# Altium PCB STM32MP25XXAK_2_DDR4_ascii.PcbDoc (part 2 of 6)
Units mm, origin at the board's own origin, x right, y up, seen from the top; angles counter-clockwise.
Board outline 120 x 79.6 mm, 4 copper layers (Top Layer, Signal Layer 1, Signal Layer 2, Bottom Layer), stack 1.614 mm thick; 243 components, 152 nets, 1304 pads, 784 vias.
Unrouted connection lines stored in the file: 6.
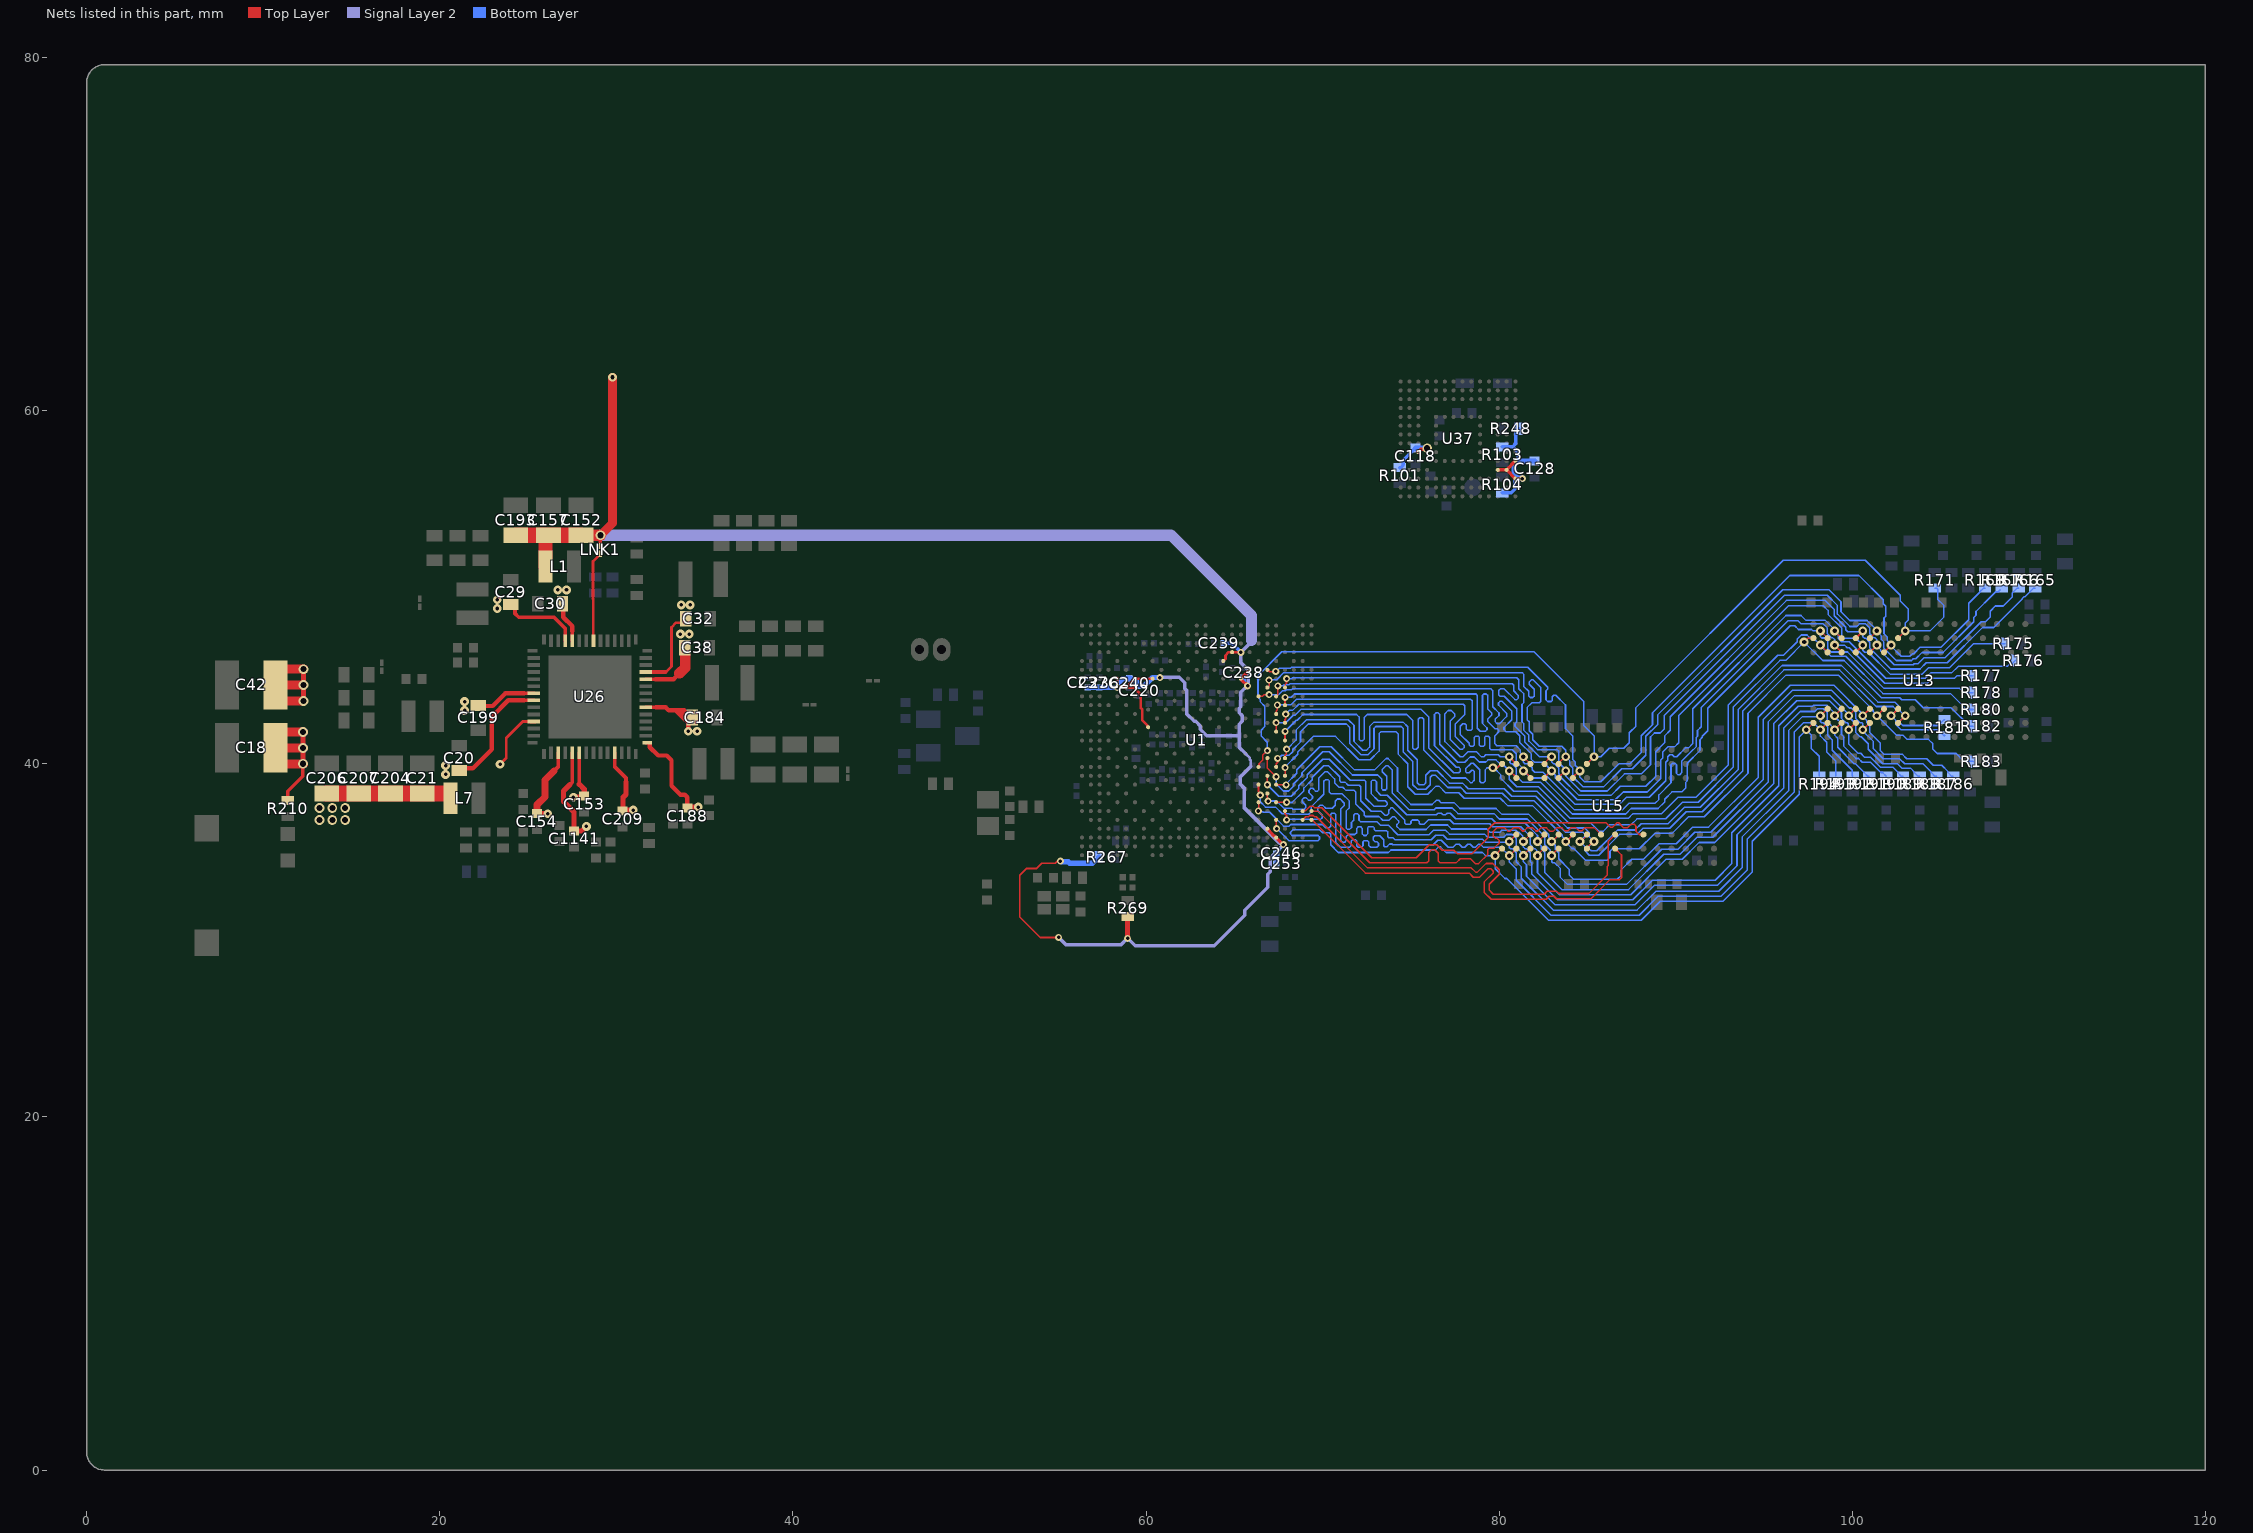
[diagram p3: the nets of this part, all layers, seen from the top]

## Part data
B2: library part MCD-03492, "Switch tactile, SPST-NO, 50mA, 12V, 6x3.8mm"
C1 C2 C3 C4 C5 C6 C7 C8 C10 C11 C12 C13 C15 C44 C45 C46 C47 C48 C49 C50 C51 C52 C58 C59 C64 C68 C69 C70 C71 C72 C74 C75 C76 C77 C82 C250 C252 C260: library part MCD-02377, "Capacitor, MLCC, 1uF, 6.3V, X5R, +/-20%, 0201, T=0,3mm"
C9 C53 C54 C55 C56 C60 C61 C62 C63 C65 C66 C67 C83 C84 C85 C118 C130 C146 C147 C148 C149 C151 C158 C162 C170 C185 C197 C198 C203 C205 C212 C213 C214 C215 C216 C218 C219 C221: library part MCD-00006, "Capacitor, MLCC, 100nF, 16V, X7R, +/-10%, 0402, T=0.5mm"
C14: library part MCD-01823, "Capacitor, MLCC, 2.2uF, 6V3, X5R,+/-10%, 0402, T=0.5mm"
C16 C17 C192 C195 C196 C201 C220 C234 C236 C237 C238 C239 C240 C244 C246 C248 C251 C253: library part MCD-01535, "Capacitor, MLCC,100nF, 10V, X7R, +/-10%, 0201, T=0.3mm"
C18 C42: library part MCD-01796, "Capacitor, Tantalum, 100uF, 6V3, 40mR, +/-20%,  Type_B (3528 metric), T=1.9mm"
C19 C21 C152 C157 C186 C187 C193 C204 C206 C207: library part MCD-03139, "Capacitor, MLCC, 22uF, 10V, X5R, +/-20%, 0805, T=1,25mm"
C20 C29 C30 C32 C38 C184 C199: library part MCD-00099, "Capacitor, MLCC, 10uF, 10V, X5R, +/-10%, 0603, T=0,8mm"
C22 C23 C24 C26 C27 C28 C34 C35 C36 C37 C41 C145 C183 C200 C202 C211: library part MCD-00100, "Capacitor, MLCC, 22uF, 6V3, X5R, +/-20%, 0603, T=0,8mm"
C33: library part MCD-00011, "Capacitor, MLCC, 10nF, 16V, X7R, 10%, 0402, T=0.5mm"
C39 C40: library part MCD-03140, "Capacitor, MLCC, 10uF, 6.3V, X5R, +/-20%, 0402, T=0.5mm"
C43 C153 C154 C188: library part MCD-00095, "Capacitor, MLCC, 1uF, 25V, X5R, +/-10%, 0402, T=0.5mm"
C73 C88 C150 C194: library part MCD-01341, "Capacitor, MLCC, 10uF, 6V3, X5R, +/-20%, 0603, T=0,8mm"
C79 C117 C128: library part MCD-02606, "Capacitor, MLCC, 2.2uF, 6.3V, X5R, +/-10%, 0402, T=0.5mm"
C81 C86 C90 C92: library part MCD-00674, "Capacitor, MLCC, 6.8pF, 50V, NPO, +-0.25pF, 0402, T=0.5mm"
C87: library part MCD-00006, "Capacitor,100nF,16V,X7R,10%,0402"
C91 C142 C156 C189 C190 C208 C209 C217 C1141: library part MCD-01356, "Capacitor, MLCC, 4.7uF, 6V3, X5R, +/-20%, 0402, T=0.5mm"
C155: library part MCD-02198, "Capacitor, MLCC, 10nF, 50V, X7R, +/-10%, 0402, T=0.5mm"
C225: library part MCD-01534, "Capacitor, MLCC, 4,7uF, 6V3, X5R, +/-20%, 0201, T=0.5mm"
C235: library part MCD-02235, "Capacitor, MLCC, 2.2uF, 10V, X5R,+/-10%, 0201, T=0.5mm"
CN12: library part MCD-00655, "Header 2 circuits, 1.25mm Pitch ,  Vertical, with Friction Lock"
D6: library part MCD-03280, "Diode, Schottky, Dual Common Cathode, 0V3, 300mA, 40V, SOT-23"
D7: library part MCD-00034
L1 L6: library part MCD-03143, "Inductor, 2.2uH, +/-20%, Itemp= 1700mA, Isat= 2400mA, 0R140, 0806, T=1mm"
L2 L4: library part MCD-03142, "Inductor, 0.68uH, +/-20%, Itemp= 3900mA, Isat= 5400mA, 0R031, 1008, T=1.2mm"
L3 L5 L7: library part MCD-03141, "Inductor, 0.68uH, +/-20%, Itemp= 3100mA, Isat= 4300mA, 0R043, 0806, T=1mm"
LD11: library part MCD-00588, "LED Green, 0603 SMD, Forward Voltage Typ=2V, Max=2.5V"
LNK1 LNK2 LNK4 LNK7 LNK8 LNK11: library part MCD-02777, "Track link on PCB 200um width for layout routing"
R2 R3 R46 R57 R59 R60 R64 R81 R267 R269 R286: library part MCD-00052, "Resistor,0R,0402,5%,1/16W"
R11: library part MCD-00056, "Resistor, 0R, 0603, +/-5%, 1/10W"
R27 R101 R103 R104 R163 R248 R272: library part MCD-00053, "Resistor,10K,0402,1%,1/16W"
R62 R75 R174: library part MCD-02253, "Resistor,240R,0201,1%,1/20W"
R66: library part MCD-00058, "Resistor, 20R, 0402, +/-1%, 1/16W"
R67: library part MCD-00052, "Resistor, 0R, 0402, +/-5%, 1/16W"
R141 R142 R146 R147: library part MCD-00061, "Resistor, 1K, 0402, +/-1%,1/16W"
R165 R166 R167 R168 R169 R170 R171 R175 R176 R177 R178 R180 R182 R183 R185 R186 R187 R188 R189 R190 R191 R192 R193 R194: library part MCD-00054, "Resistor, 56R, 0402, +/-1%, 1/16W"
R181: library part MCD-01819, "Resistor,100R,0402,0,5%,1/16W,±100ppm/°C"
R210: library part MCD-00441, "Resistor,270R,0402,1%,1/16W"
R260 R261: library part MCD-00068, "Resistor,1K5,0402,1%,1/16W"
TP21: library part MCD-00074, "Test Point 1mm"
U1: library part MCD-03375, "MPU , 2xCortex-A35@1.5GHz, Cortex-M33@400MHz, TFBGA 14x14, pitch 0.5, 648KB SRAM, With Crypto"
U13 U15: library part MCD-03523, "Memory, DDR4 SDRAM, 1V2, 16Gbit, FBGA96"
U26: library part MCD-03000, "STPMIC2"
U37: library part MCD-02799, "Memory, eMMC, 4GB, 15nm ,WFBGA , 153 pins"
X1: library part MCD-01479, "Crystal, 32.768kHz, 6pF, +/-20ppm, 80K, 2.05x1.2mm"
X2: library part MCD-02344, "Crystal, 40MHz, 6pF, +/-20ppm, 80R, 1.6x1.2mm"

## Via types
v1: diameter 0.55, hole 0.35, Top Layer to Bottom Layer, 256 vias
v2: diameter 0.4, hole 0.2, Top Layer to Bottom Layer, tented both sides, 235 vias
v3: diameter 0.5, hole 0.2, Top Layer to Bottom Layer, 146 vias
v4: diameter 0.5, hole 0.25, Top Layer to Bottom Layer, 143 vias
v5: diameter 0.5, hole 0.25, Top Layer to Bottom Layer, tented both sides, 4 vias

## Nets (pads, with @x,y where several pads share a name; then routed paths per layer and width w, separated by ;. In a path a pad name is that pad's centre, name@x,y a point inside that pad or via, vN(x,y) a via of type N, cw(c..) or ccw(c..) an arc to the next point about the centre after c; other vN are vias at no path point)
1V8: C118.2 C128.2 C152.2 C157.2 C193.2 C220.2 C236.2 C237.2 C238.2 C239.2 C240.2 C246.2 C253.2 L1.2 LNK1.2 R101.2 R103.2 R104.2 R248.2 R267.2 R269.1 U1.1E1 U1.AD22 U1.AE23 U1.D18 U1.E17 U1.F20 U1.G5 U1.G7 U1.G9 U1.G19 U1.H6 U37.C6 U37.M4 U37.N4 U37.P3 U37.P5 | length 134.2
  Top Layer w0.1: v2(55.049,30.165) 54.012,30.165 52.854,31.323 52.854,33.688 53.244,34.078 53.813,34.078 54.103,34.368 54.86,34.368 54.967,34.474 55.127,34.474 v2(55.146,34.494)
  Top Layer w0.15: U1.G5@58.375,44.825 v2(58.375,44.325) U1.H6@58.875,44.325 ; U1.1E1@60.125,42.075 60.125,42.097 60.085,42.137 60.085,42.17 59.791,42.464 59.791,43.079 59.702,43.168 59.702,43.926 59.304,44.325 U1.H6@58.875,44.325 ; U1.G9@60.375,44.825 U1.G7@59.375,44.825 U1.H6@58.875,44.325 ; U1.E17@64.375,45.825 64.375,45.828 64.5,45.953 64.5,46.139 64.683,46.322 U1.D18@64.872,46.322 ; U1.D18@64.875,46.325 65.372,46.325 v2(65.378,46.319) ; U37.P3@80.925,56.155 v2(81.325,56.155)
  Top Layer w0.18: v2(65.755,44.415) 65.4,44.77 65.4,44.786 65.375,44.811 U1.G19@65.375,44.825 U1.F20@65.875,45.325 ; U1.AD22@66.875,36.325 66.875,36.32 67.002,36.193 67.002,36.169 67.236,35.935 67.257,35.935 67.367,35.825 U1.AE23@67.375,35.825 v2(67.78,35.42)
  Top Layer w0.2: LNK1.2@29.1,52.348 v1(29.1,52.95) ; U37.C6@75.425,57.655 75.602,57.832 75.877,57.832 v1(75.925,57.88) ; U37.M4@79.925,56.655 U37.N4@80.425,56.655 ; U37.P3@80.925,56.155 U37.N4@80.425,56.655 ; U37.P5@80.925,57.155 U37.N4@80.425,56.655
  Top Layer w0.3: R269.1@58.956,31.358 58.956,30.117 v2(58.962,30.112)
  Top Layer w0.5: v1(29.1,52.95) 29.78,53.63 v4(29.78,61.9)
  Top Layer w0.64: C152.2@28,52.95 v1(29.1,52.95)
  Top Layer w0.8: L1.2@25.995,51.175 25.995,52.9 26.045,52.95 C157.2@26.15,52.95
  Top Layer w0.9: C193.2@24.3,52.95 C157.2@26.045,52.95 ; C157.2@26.15,52.95 C152.2@28,52.95
  Signal Layer 2 w0.15: 65.64,40.572 65.885,40.327 65.885,40.243 65.93,40.198 65.93,39.851
  Signal Layer 2 w0.2: v2(55.049,30.165) 55.449,29.766 58.598,29.766 v2@58.944,30.112 ; v2(58.962,30.112) 59.386,29.688 63.861,29.688 65.603,31.43 65.603,31.711 66.9,33.008 66.9,33.754 67.041,33.895 67.041,34.681 v2(67.78,35.42) 67.726,35.42 67.633,35.513 67.566,35.513 65.552,37.527 65.552,38.632 65.349,38.835 65.349,39.271 65.93,39.851 ; v2(60.79,44.885) 60.811,44.906 61.89,44.906 62.2,44.596 62.2,44.264 62.32,44.144 62.32,42.814 62.725,42.409 62.81,42.409 63.077,42.143 63.077,41.961 63.445,41.593 65.285,41.593 65.285,42.251 65.44,42.406 65.44,42.738 65.284,42.894 65.284,43.14 65.375,43.231 65.375,44.053 v2@65.734,44.411 ; 65.285,41.575 65.285,40.928 65.64,40.572 ; 65.794,44.612 65.794,45.317 65.378,45.733 v2(65.378,46.319) 65.933,46.874 65.933,46.95
  Signal Layer 2 w0.64: v1(29.1,52.95) 61.405,52.95 ; 61.411,52.956 65.971,48.396 65.971,46.988
  Bottom Layer w0.18: C238.2@65.5,44.883 65.585,44.798 65.585,44.63 65.755,44.46 v2(65.755,44.415) ; C246.2@67.391,34.986 67.436,34.986 67.46,35.01 67.46,35.054 67.57,35.164 67.57,35.175 67.78,35.385 v2(67.78,35.42)
  Bottom Layer w0.2: C239.2@64.4,46.837 64.86,46.837 v2(65.378,46.319) ; R101.2@74.375,56.775 74.425,56.775 74.58,56.93 74.58,57.2 75.08,57.7 75.08,57.725 75.235,57.88 C118.2@75.26,57.88 ; R103.2@80.171,57.961 80.769,57.961 ; R104.2@80.175,55.355 80.69,55.355 80.885,55.55 80.885,55.998 81.061,56.174 ; 81.075,57.136 81.075,57.655 80.769,57.961 ; R248.2@81.107,58.98 80.952,58.825 80.952,58.144 80.769,57.961
  Bottom Layer w0.25: C253.2@67.391,34.385 C246.2@67.391,34.925
  Bottom Layer w0.3: v2(55.146,34.494) 55.165,34.474 55.236,34.474 55.259,34.452 55.612,34.452 55.689,34.375 56.975,34.375 57.123,34.523 57.218,34.523 57.323,34.628 R267.2@57.323,34.723 ; C237.2@56.696,44.325 C236.2@57.35,44.325 v2(58.375,44.325) ; v2@58.386,44.325 v2(58.375,44.325) ; C240.2@58.984,44.85 C240.2@59.05,44.85 59.125,44.85 59.15,44.825 59.19,44.825 59.3,44.715 59.399,44.715 59.54,44.574 59.54,44.475 C220.2@59.609,44.406 59.634,44.431 59.911,44.431 60.372,44.892 60.783,44.892 v2(60.79,44.885) ; C240.2@59.025,44.825 58.689,44.825 58.394,44.53 58.394,44.344 v2(58.375,44.325) ; C118.2@75.26,57.88 v1(75.925,57.88) ; v2(81.325,56.155) 81.306,56.174 81.061,56.174 80.867,56.368 80.867,56.928 81.075,57.136 81.306,57.136 81.325,57.155 C128.2@82.015,57.155
1V8_FB: LNK1.1 U26.35 | length 5.1
  Top Layer w0.15: U26.35@28.7,46.97 28.7,49.311 28.675,49.336 28.675,51.473 LNK1.1@29.1,51.898
3V3: C21.2 C154.2 C204.2 C206.2 C207.2 L7.2 U26.3 U26.53 | length 15.3
  Top Layer w0.15: v3(23.41,39.977) 23.762,40.329 23.762,41.465 24.697,42.4 U26.53@25.33,42.4 ; U26.53@25.12,42.369 25.419,42.369 U26.53@25.45,42.4
  Top Layer w0.21: 26.473,39.598 26.7,39.825 U26.3@26.7,40.63
  Top Layer w0.3: C154.2@25.475,37.175 C154.2@25.5,37.175 v3@26.085,37.175
  Top Layer w0.4: C154.2@25.5,37.175 25.514,37.189 25.514,37.685 25.96,38.131 25.96,39.085 26.473,39.598
  Top Layer w0.9: C206.2@13.587,38.323 C21.2@19,38.323 20.362,38.323 L7.2@20.387,38.298
  other v1: 13.187,36.823 13.912,36.823 14.637,36.823 13.187,37.498 13.912,37.498 14.637,37.498
  other v3: 26.11,37.175
5V_STLK: C18.1 C20.2 C29.2 C30.2 C32.2 C38.2 C42.1 C153.2 C184.2 C188.2 C199.2 C209.2 R210.1 U26.6 U26.11 U26.15 U26.20 U26.24 U26.25 U26.38 U26.39 U26.49 U26.50 | length 58.9
  Top Layer w0.15: 32.8,45.2 33.125,45.525 33.125,47.731 33.388,47.994 33.819,47.994 C32.2@33.925,48.1
  Top Layer w0.2: R210.1@11.386,37.915 11.386,38.449 12.244,39.307 v1@12.244,39.994
  Top Layer w0.21: C29.2@24.025,49.05 24.262,48.813 24.262,48.513 24.475,48.3 26.464,48.3 27.1,47.664 U26.39@27.1,46.97 ; 24.775,43.6 U26.50@25.33,43.6 ; 24.775,44 U26.49@25.33,44 ; U26.38@27.5,46.97 27.5,47.525 ; 27.9,38.85 U26.6@27.9,40.63 ; U26.11@29.9,40.63 29.9,39.843 30.54,39.203 30.54,38.975 ; U26.15@31.67,41.2 U26.15@31.745,41.2 U26.15@31.785,41.2 ; U26.20@31.67,43.2 32.225,43.2 ; U26.24@31.67,44.8 32.207,44.8 ; U26.25@31.67,45.2 32.8,45.2
  Top Layer w0.25: C20.2@21.1,39.75 21.875,39.75 22.95,40.825 22.95,42.669 23.881,43.6 24.775,43.6 ; C199.2@22.175,43.275 22.991,43.275 23.716,44 24.775,44 ; C30.2@26.925,49.075 26.994,49.006 26.994,48.308 27.5,47.802 27.5,47.525 ; 31.895,41.095 31.895,40.947 32.371,40.472 32.853,40.472 33.125,40.2 33.125,38.759 33.634,38.25 33.879,38.25 34.025,38.104 C188.2@34.025,37.55 ; 32.207,44.8 33.25,44.8 33.575,45.125 ; 32.225,43.2 32.788,43.2 32.963,43.025 33.358,43.025 ; v3(34.075,41.85) 34.075,42.308 33.358,43.025 ; 33.358,43.025 33.579,43.025 ; 33.579,43.025 33.847,43.025 33.972,42.9 34.05,42.9 34.247,42.703 34.247,42.625 34.246,42.627 33.977,42.627 33.579,43.025
  Top Layer w0.3: v1@12.25,40 12.25,40.906 v1@12.25,41.8 ; v1@12.275,43.563 v1@12.275,45.363 ; v3(27.565,38.11) 28.175,38.11 28.174,38.111 28.174,38.576 27.9,38.85 ; C209.2@30.35,37.38 C209.2@30.375,37.38 ; 30.54,38.975 30.54,38.269 30.375,38.104 C209.2@30.375,37.38 ; v3(30.96,37.38) C209.2@30.375,37.38 ; C188.2@34.025,37.55 v3(34.635,37.55)
  Top Layer w0.5: C18.1@10.686,39.994 12.244,39.994 v1@12.269,39.994 ; C18.1@10.686,40.906 12.25,40.906 v1@12.269,40.906 ; C18.1@10.686,41.806 v1@12.269,41.806 ; C42.1@10.686,43.557 v1@12.269,43.557 ; C42.1@10.686,44.468 v1@12.269,44.468 ; C42.1@10.686,45.368 v1@12.269,45.368
  Top Layer w0.6: 33.575,45.125 33.9,45.45 C38.2@33.9,46.175
  other v1: 12.251,40.002 12.251,40.902 12.251,41.802 12.276,43.565 12.276,44.465 12.276,45.365
  other v3: 20.325,39.4 20.325,39.9 34.575,41.85 21.4,43.025 21.4,43.525 33.625,47.35 34.125,47.35 23.25,48.8 33.675,49 34.175,49 23.25,49.3 26.675,49.85 27.175,49.85
5V_VCONN: C1141.1 U26.5 | length 5.7
  Top Layer w0.21: 27.378,38.827 27.5,38.95 U26.5@27.5,40.63
  Top Layer w0.3: 27.378,38.827 27.01,38.46 27.01,37.865 27.6,37.275 C1141.1@27.6,36.2 28.04,36.2 v3(28.3,36.46)
DDR_A0: R177.1 U1.L23 U13.P3 U15.P3 | length 58.8
  Top Layer w0.09: U1.L23@67.375,42.825 67.375,42.997 67.445,43.068 v2@67.445,43.333 ; v4@81.381,39.6 81.421,39.6 81.774,39.247 U15.P3@81.774,39.197 ; v4(99.003,46.729) 99.003,46.722 U13.P3@99.405,46.32
  Bottom Layer w0.09: v2@67.45,43.338 68.202,43.338 68.529,43.665 78.379,43.665 78.476,43.568 78.476,41.97 78.405,41.899 78.221,41.899 78.151,41.969 78.151,42.179 78.062,42.268 77.943,42.268 77.806,42.13 77.806,41.669 78.306,41.168 78.306,41.068 78.38,40.995 78.518,40.995 78.597,41.074 78.597,41.489 78.672,41.564 78.814,41.564 78.887,41.491 78.887,41.063 78.958,40.991 79.113,40.991 79.179,41.058 79.179,41.49 79.248,41.558 79.403,41.558 79.475,41.486 79.475,40.868 79.54,40.804 80.749,40.804 80.978,40.575 80.978,40.107 81.378,39.707 v4(81.378,39.604) 81.781,39.201 82.46,39.201 84.249,37.412 87.01,37.412 87.378,37.779 88.853,37.779 89.053,37.979 89.053,38.238 89.74,38.925 89.74,39.945 89.816,40.021 89.972,40.021 90.051,39.942 90.051,39.458 90.13,39.38 90.228,39.38 90.354,39.506 90.354,40.162 90.861,40.669 91.177,40.985 91.177,41.497 91.237,41.558 91.237,41.888 91.449,42.1 91.449,43.195 96.366,48.112 96.93,48.112 97.117,47.925 98.367,47.925 98.598,47.694 98.598,47.375 98.839,47.134 98.911,47.134 99.003,47.042 v4(99.003,46.729) v4@98.988,46.744 ; v4@99.028,46.729 99.568,46.729 99.723,46.574 99.84,46.574 101.852,44.562 104.265,44.562 104.562,44.859 105.804,44.859 105.924,44.979 R177.1@106.853,44.979
  other v2: 67.44,43.333
DDR_A1: R190.1 U1.Y22 U13.P7 U15.P7 | length 54.8
  Top Layer w0.09: U1.Y22@66.875,38.325 66.875,37.932 v2(66.912,37.895) ; v4@81.381,35.6 U15.P7@81.781,36 ; v4(99.003,42.729) 99.394,43.12 U13.P7@99.405,43.12
  Bottom Layer w0.09: v2@66.94,37.867 v2(66.912,37.895) 67.398,37.895 67.813,37.48 68.27,37.48 68.317,37.434 68.958,37.434 69.055,37.531 69.055,37.648 68.854,37.849 68.854,37.98 68.959,38.085 69.067,38.085 69.204,37.948 69.329,37.948 69.433,38.052 69.433,38.156 69.435,38.158 69.435,38.162 69.235,38.362 69.235,38.511 69.339,38.615 69.446,38.615 69.602,38.46 69.717,38.46 69.782,38.524 69.782,39.193 70.139,39.55 70.277,39.55 70.681,39.145 70.681,38.924 70.926,38.68 71.147,38.68 71.33,38.496 71.792,38.496 71.872,38.417 71.872,37.745 72.362,37.255 72.362,37.093 72.436,37.019 73.194,37.019 73.413,36.801 73.77,36.801 73.967,36.998 74.07,36.998 74.306,36.762 74.306,36.655 74.208,36.556 74.208,36.457 74.384,36.281 75.865,36.281 76.12,36.537 77.082,36.537 77.307,36.312 79.298,36.312 79.473,36.136 80.053,36.136 80.153,36.236 80.943,36.236 81.055,36.124 81.131,36.124 81.332,35.923 81.332,35.65 v4(81.378,35.604) ; v4@81.378,35.595 81.378,35.283 81.462,35.199 81.541,35.199 81.773,34.968 81.773,34.473 81.843,34.403 81.843,33.76 83.304,32.299 87.572,32.299 88.686,33.413 92.246,33.413 93.184,34.351 93.184,36.099 95.838,38.752 95.838,42.153 96.945,43.261 97.755,43.261 97.809,43.314 98.566,43.314 99.003,42.877 v4(99.003,42.729) ; v4@99.07,42.689 99.07,42.609 99.398,42.282 99.398,41.659 99.513,41.544 99.513,41.009 100.216,40.305 100.362,40.305 100.578,40.089 101.045,40.089 101.622,39.512 101.718,39.512 R190.1@101.928,39.302
DDR_A2: R180.1 U1.N23 U13.R3 U15.R3 | length 61.7
  Top Layer w0.09: v2(67.366,42.334) 67.375,42.325 U1.N23@67.375,41.825 ; v4@80.581,39.6 80.621,39.6 80.974,39.247 U15.R3@80.974,39.197 ; v4(98.203,46.729) 98.605,46.327 U13.R3@98.605,46.32
  Bottom Layer w0.09: v2(67.366,42.334) 67.375,42.325 67.911,42.325 68.343,42.758 68.442,42.758 68.769,43.085 75.595,43.085 76.022,42.657 76.022,40.899 77.432,39.489 77.72,39.489 77.812,39.581 77.812,39.713 77.723,39.802 77.568,39.802 76.339,41.03 76.339,42.802 76.435,42.897 76.537,42.897 76.642,42.792 76.642,41.111 77.664,40.09 78.058,40.09 78.359,40.39 78.593,40.39 78.879,40.105 79.25,40.105 79.369,40.224 79.831,40.224 80.049,40.005 80.173,40.005 v4@80.574,39.604 ; v4(80.578,39.604) 80.578,39.121 81,38.699 82.238,38.699 84.027,36.91 87.31,36.91 87.563,37.162 87.58,37.178 89.201,37.178 90.139,38.116 91.156,38.116 92.978,39.937 92.978,43.338 95.789,46.149 96.113,46.149 96.883,46.919 96.883,47.068 97.114,47.299 97.441,47.299 97.582,47.158 97.773,47.158 v4(98.203,46.729) 98.203,46.685 98.796,46.092 99.632,46.092 101.742,43.982 105.573,43.982 106.478,43.077 R180.1@106.853,43.077
DDR_A3: R188.1 U1.V22 U13.N7 U15.N7 | length 57.5
  Top Layer w0.09: v2(66.873,38.817) U1.V22@66.873,39.323 ; v4@82.181,35.6 82.204,35.6 82.574,35.97 U15.N7@82.574,35.997 ; v4(99.803,42.729) 100.194,43.12 U13.N7@100.205,43.12
  Bottom Layer w0.09: v2(66.873,38.817) 67.52,38.17 68.223,38.17 68.655,38.602 68.655,38.753 69.126,39.224 69.126,39.383 70.012,40.268 70.379,40.268 71.571,39.076 72.379,39.076 72.452,39.003 72.452,38.059 72.909,37.602 73.566,37.602 73.658,37.694 73.658,37.807 73.638,37.825 73.55,37.913 73.162,37.913 72.751,38.325 72.751,38.996 72.831,39.076 72.967,39.076 73.055,38.988 73.055,38.478 73.305,38.228 73.665,38.228 73.665,38.223 74.772,37.117 76.446,37.117 76.538,37.209 76.725,37.209 76.817,37.117 76.966,37.117 77.058,37.209 77.23,37.209 77.547,36.892 79.586,36.892 79.835,36.643 81.475,36.643 82.178,35.94 v4(82.178,35.604) 82.178,35.554 82.378,35.354 82.378,35.198 82.582,34.994 82.582,33.841 83.544,32.879 87.331,32.879 89.331,34.879 90.25,34.879 91.209,35.838 92.103,35.838 95.258,38.993 95.258,42.393 96.733,43.869 98.724,43.869 99.803,42.79 v4(99.803,42.729) 99.803,42.672 100.198,42.277 100.198,41.775 100.439,41.534 100.521,41.534 100.913,41.143 100.913,40.828 101.737,40.004 102.564,40.004 102.808,39.76 103.306,39.76 103.523,39.543 103.523,39.512 103.733,39.302 R188.1@103.828,39.302
DDR_A4: R175.1 U1.J21 U13.N3 U15.N3 | length 60.4
  Top Layer w0.09: U1.J21@66.381,43.819 66.581,43.819 66.683,43.921 v2(66.971,43.921) ; U15.N3@82.574,39.197 82.574,39.245 v4@82.929,39.6 ; U13.N3@100.205,46.32 100.603,46.718 v4(100.603,46.729)